# Altium PCB Brake Module PCB R6.PcbDoc (part 3 of 3)
Units mm, origin at the board's own origin, x right, y up, seen from the top; angles counter-clockwise.
Board outline 73.35 x 121.67 mm, 4 copper layers (Top Layer, GND, Power, Bottom Layer), stack 1.371 mm thick; 150 components, 97 nets, 517 pads, 201 vias.
Unrouted connection lines stored in the file: 1.
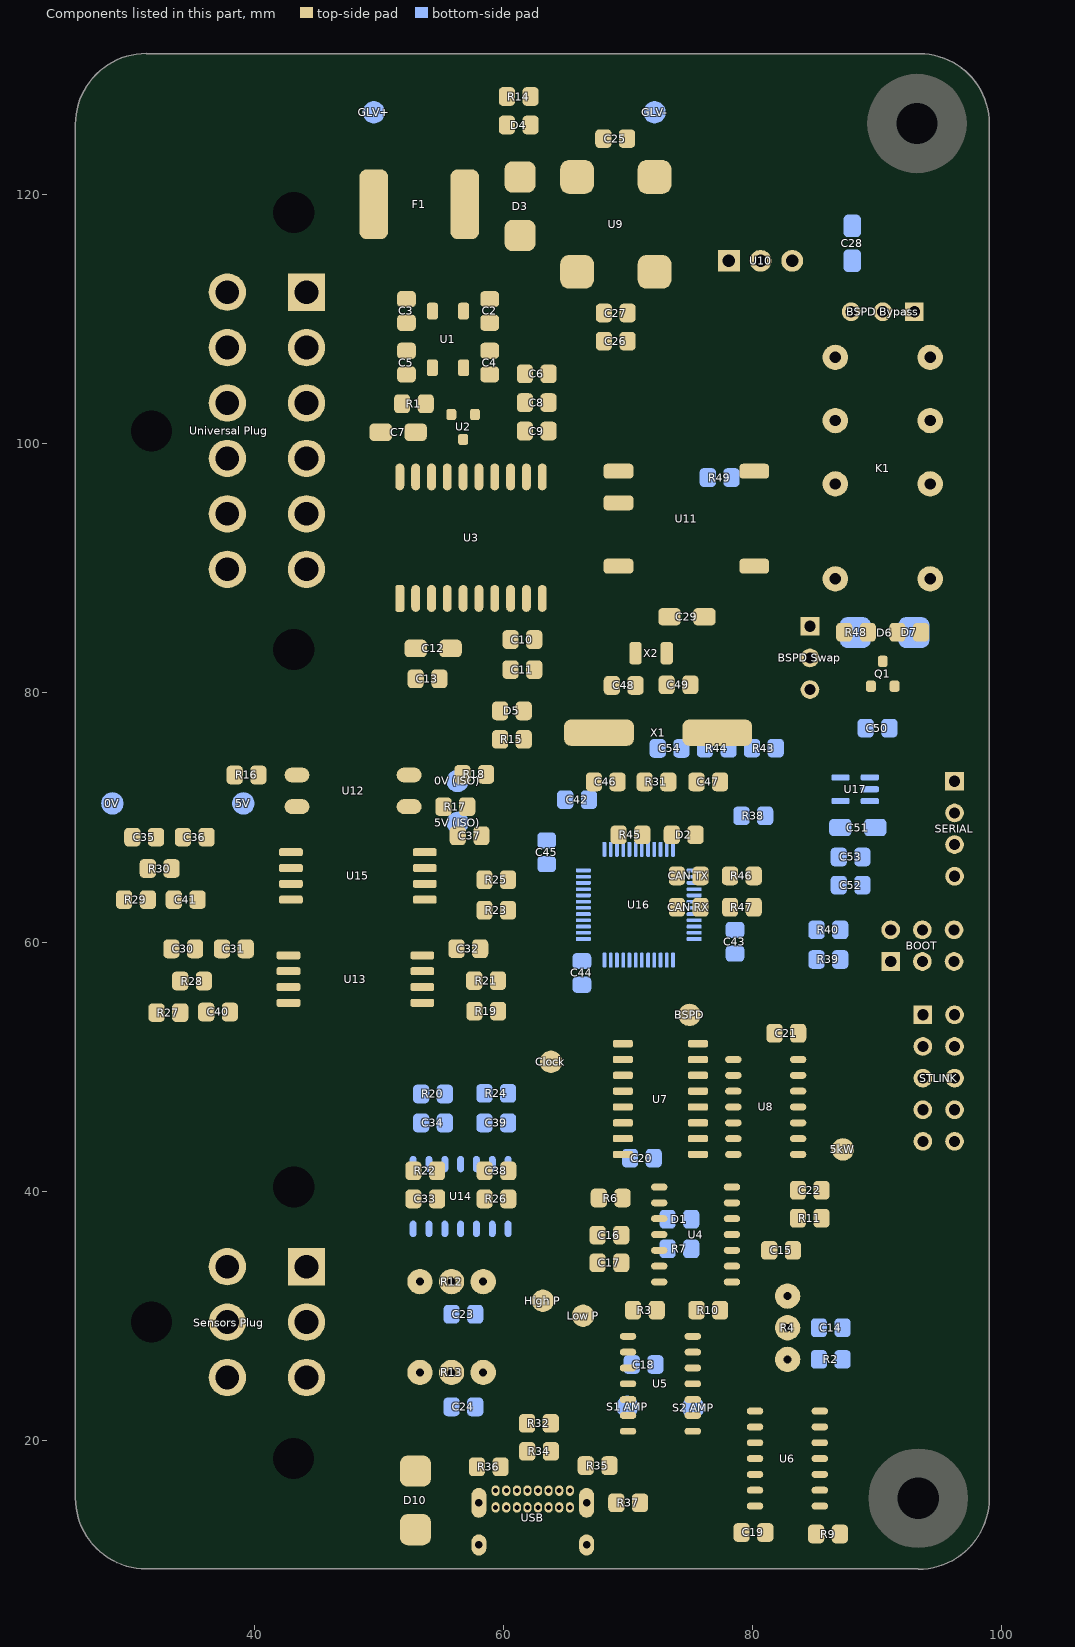
[diagram p5: the components of this part, seen from the top]

## Other copper
Top Layer:
  pour cut-out: 57.167,12.247 57.167,10.935 ccw(c57.739,10.935) 57.739,10.363 58.37,10.363 ccw(c58.37,10.946) 58.953,10.946 58.953,12.298 ccw(c58.458,12.31) 58.429,12.804 57.858,12.804 ccw(c57.743,12.24)
  pour cut-out: 65.817,12.247 65.817,10.935 ccw(c66.389,10.935) 66.389,10.363 67.02,10.363 ccw(c67.02,10.946) 67.604,10.946 67.604,12.298 ccw(c67.109,12.31) 67.079,12.804 66.508,12.804 ccw(c66.393,12.24)
  pour cut-out: 84.907,22.956 85.89,22.957 cw(c85.89,22.597) 86.249,22.597 86.249,14.566 cw(c85.82,14.566) 85.82,14.136 84.9,14.136 cw(c84.9,14.709) 84.327,14.716 84.411,22.466 cw(c84.907,22.461)
  pour cut-out: 79.271,22.86 80.645,22.86 cw(c80.645,22.4) 81.104,22.4 81.104,14.643 cw(c80.663,14.643) 80.663,14.201 79.577,14.201 cw(c79.577,14.597) 79.181,14.601
  pour cut-out: 52.092,59.021 52.092,54.947 ccw(c52.624,54.947) 52.624,54.415 54.19,54.415 ccw(c54.19,54.987) 54.761,54.987 54.762,59.299 ccw(c54.395,59.299) 54.395,59.666 52.736,59.666 ccw(c52.736,59.021)
  pour cut-out: 41.456,59.079 41.456,54.966 ccw(c42.006,54.966) 42.006,54.416 43.822,54.416 ccw(c43.822,54.863) 44.269,54.863 44.269,59.089 ccw(c43.692,59.089) 43.692,59.666 42.043,59.666 ccw(c42.043,59.079)
  pour cut-out: 41.686,67.361 41.686,63.282 ccw(c42.294,63.282) 42.294,62.674 43.869,62.674 ccw(c43.869,63.121) 44.316,63.121 44.316,67.347 ccw(c43.739,67.347) 43.739,67.924 42.25,67.924 ccw(c42.25,67.361)
  pour cut-out: 50.829,98.566 50.829,96.577 ccw(c51.596,96.577) 51.596,95.81 63.069,95.81 ccw(c63.069,96.706) 63.964,96.706 63.964,99.118 51.312,99.052 ccw(c51.315,98.566)
  pour cut-out: 77.465,32.361 ccw(c77.828,32.457) 77.828,32.081 78.915,32.081 ccw(c78.915,32.392) 79.227,32.392 79.227,40.694 ccw(c78.949,40.694) 78.946,40.971 77.804,40.958 ccw(c77.808,40.602) 77.453,40.601 cw(c-2693.031,32.361)
  pour cut-out: 71.618,40.541 71.618,32.466 ccw(c72.003,32.466) 72.003,32.081 73.021,32.081 ccw(c73.021,32.452) 73.392,32.452 73.392,40.658 ccw(c73.079,40.658) 73.075,40.971 72.031,40.959 ccw(c72.035,40.541)
  pour cut-out: 52.3,67.344 52.3,63.27 ccw(c52.832,63.27) 52.832,62.738 54.429,62.738 ccw(c54.429,63.245) 54.936,63.246 54.936,67.532 ccw(c54.479,67.532) 54.479,67.988 52.944,67.988 ccw(c52.944,67.344)
  pour cut-out: 74.281,28.513 74.281,20.319 ccw(c74.65,20.319) 74.65,19.95 75.777,19.95 ccw(c75.777,20.293) 76.12,20.293 76.12,28.485 ccw(c75.642,28.485) 75.642,28.964 74.732,28.964 ccw(c74.732,28.513)
  pour cut-out: 69.175,28.7 69.175,20.425 ccw(c69.625,20.425) 69.625,19.975 70.323,19.975 ccw(c70.323,20.527) 70.875,20.527 70.875,28.647 ccw(c70.397,28.647) 70.397,29.125 69.6,29.125 ccw(c69.6,28.7)
  pour cut-out: 82.787,42.756 82.787,50.755 cw(c83.358,50.755) 83.358,51.325 84.065,51.325 cw(c84.065,50.865) 84.525,50.865 84.525,42.65 cw(c84.07,42.65) 84.078,42.195 83.371,42.182 cw(c83.361,42.756)
  pour cut-out: 77.55,42.571 77.55,50.9 cw(c77.962,50.9) 77.962,51.312 78.773,51.313 cw(c78.773,50.758) 79.327,50.758 79.327,42.668 cw(c78.841,42.668) 78.849,42.183 77.959,42.168 cw(c77.953,42.571)
  pour cut-out: 74.475,52.1 74.475,42.55 ccw(c74.825,42.55) 74.825,42.2 76.393,42.2 ccw(c76.393,42.532) 76.725,42.532 76.725,52.075 ccw(c76.35,52.075) 76.35,52.45 74.825,52.45 ccw(c74.825,52.1)
  pour cut-out: 68.45,51.998 68.45,42.525 ccw(c68.775,42.525) 68.775,42.2 70.375,42.2 ccw(c70.375,42.55) 70.725,42.55 70.725,51.978 ccw(c70.233,51.978) 70.228,52.47 68.902,52.455 ccw(c68.907,51.998)
  pour cut-out: 63.225,86.275 ccw(c63.225,86.775) 63.725,86.775 63.725,88.65 ccw(c63.292,88.651) 63.291,89.083 51.423,89.075 ccw(c51.423,88.656) 51.004,88.652 51.02,86.802 ccw(c51.56,86.807) 51.561,86.267
  region: 1693 vertices and 5 holes, not listed, extent 93.264,20.872 97.854,29.735
  region: 615 vertices and 0 holes, not listed, extent 94.099,27.866 96.836,29.885
  region: 94.449,27.181 94.449,27.265 94.466,27.265 94.466,27.348 94.483,27.348 94.483,27.365 94.499,27.365 94.499,27.448 94.516,27.448 94.516,27.365 94.499,27.365 94.499,27.282 94.483,27.282 94.483,27.265 94.466,27.265 94.466,27.181 94.449,27.181 94.449,27.098 94.432,27.098 94.432,27.181
  region: 95.117,26.597 95.117,26.464 95.134,26.464 95.134,26.313 95.15,26.313 95.15,26.297 95.167,26.297 95.167,26.163 95.184,26.163 95.184,26.03 95.2,26.03 95.2,25.913 95.217,25.913 95.217,25.796 95.234,25.796 95.234,25.746 95.25,25.746 95.25,25.662 95.267,25.662 95.267,25.562 95.284,25.562 95.284,25.462 95.3,25.462 95.3,25.362 95.317,25.362 95.317,25.329 95.334,25.329 95.334,25.262 95.351,25.262 95.351,25.178 95.367,25.178 95.367,25.128 95.384,25.128 95.384,25.061 95.401,25.061 95.401,25.045 95.417,25.045 95.434,25.045 95.434,25.028 95.451,25.028 95.467,25.028 95.484,25.028 95.501,25.028 95.517,25.028 95.534,25.028 95.551,25.028 95.568,25.028 95.568,25.011 95.551,25.011 95.534,25.011 95.517,25.011 95.501,25.011 95.484,25.011 95.467,25.011 95.451,25.011 95.434,25.011 95.417,25.011 95.401,25.011 95.401,24.961 95.417,24.961 95.417,24.895 95.401,24.895 95.401,24.911 95.384,24.911 95.384,24.978 95.367,24.978 95.367,25.061 95.351,25.061 95.351,25.145 95.334,25.145 95.334,25.212 95.317,25.212 95.317,25.262 95.3,25.262 95.3,25.345 95.284,25.345 95.284,25.429 95.267,25.429 95.267,25.546 95.25,25.546 95.25,25.629 95.234,25.629 95.234,25.662 95.217,25.662 95.217,25.763 95.2,25.763 95.2,25.879 95.184,25.879 95.184,25.996 95.167,25.996 95.167,26.113 95.15,26.113 95.15,26.163 95.134,26.163 95.134,26.297 95.117,26.297 95.117,26.447 95.1,26.447 95.1,26.597
  region: 95.568,24.394 95.568,24.377 95.584,24.377 95.584,24.327 95.568,24.327 95.568,24.344 95.551,24.344 95.551,24.394
  region: 94.299,26.38 94.299,26.514 94.316,26.514 94.316,26.53 94.332,26.53 94.332,26.647 94.349,26.647 94.349,26.53 94.332,26.53 94.332,26.397 94.316,26.397 94.316,26.38 94.299,26.38 94.299,26.247 94.282,26.247 94.282,26.38
  region: 95.067,26.931 95.067,26.881 95.083,26.881 95.083,26.764 95.067,26.764 95.067,26.814 95.05,26.814 95.05,26.931
  region: 94.533,27.549 94.533,27.615 94.549,27.615 94.549,27.699 94.566,27.699 94.566,27.716 94.583,27.716 94.583,27.799 94.599,27.799 94.599,27.849 94.616,27.849 94.616,27.799 94.599,27.799 94.599,27.716 94.583,27.716 94.583,27.649 94.566,27.649 94.566,27.615 94.549,27.615 94.549,27.549 94.533,27.549 94.533,27.465 94.516,27.465 94.516,27.549
  region: 95.484,25.863 95.501,25.863 95.501,25.829 95.517,25.829 95.517,25.813 95.534,25.813 95.534,25.779 95.517,25.779 95.517,25.796 95.501,25.796 95.501,25.813 95.484,25.813 95.484,25.829 95.467,25.829 95.467,25.863
  region: 95.501,25.629 95.501,25.646 95.517,25.646 95.517,25.629 95.501,25.629 95.501,25.596 95.484,25.596 95.484,25.629
  region: 95.568,25.529 95.584,25.529 95.601,25.529 95.601,25.562 95.618,25.562 95.618,25.495 95.634,25.495 95.651,25.495 95.668,25.495 95.668,25.596 95.684,25.596 95.684,25.546 95.701,25.546 95.701,25.512 95.718,25.512 95.718,25.479 95.734,25.479 95.734,25.462 95.718,25.462 95.701,25.462 95.701,25.479 95.684,25.479 95.668,25.479 95.651,25.479 95.634,25.479 95.618,25.479 95.618,25.462 95.601,25.462 95.601,25.445 95.584,25.445 95.568,25.445 95.568,25.462 95.551,25.462 95.551,25.529
  region: 95.517,25.546 95.517,25.562 95.534,25.562 95.534,25.546 95.517,25.546 95.517,25.512 95.501,25.512 95.501,25.546
  region: 95.484,24.644 95.501,24.644 95.501,24.577 95.484,24.577 95.484,24.611 95.467,24.611 95.467,24.644
  region: 95.618,25.045 95.618,25.061 95.634,25.061 95.651,25.061 95.651,25.078 95.668,25.078 95.684,25.078 95.684,25.095 95.701,25.095 95.718,25.095 95.734,25.095 95.751,25.095 95.768,25.095 95.768,25.112 95.785,25.112 95.801,25.112 95.818,25.112 95.818,25.095 95.835,25.095 95.851,25.095 95.868,25.095 95.885,25.095 95.901,25.095 95.918,25.095 95.918,25.078 95.901,25.078 95.885,25.078 95.868,25.078 95.851,25.078 95.835,25.078 95.818,25.078 95.801,25.078 95.785,25.078 95.768,25.078 95.751,25.078 95.734,25.078 95.718,25.078 95.701,25.078 95.701,25.061 95.684,25.061 95.668,25.061 95.668,25.045 95.651,25.045 95.634,25.045 95.618,25.045 95.618,25.028 95.601,25.028 95.601,25.045
  region: 95.634,24.227 95.634,24.177 95.651,24.177 95.651,24.16 95.634,24.16 95.618,24.16 95.618,24.227
  region: 191 vertices and 1 holes, not listed, extent 94.783,23.008 95.451,24.227
  region: 94.366,26.764 94.366,26.881 94.382,26.881 94.382,26.981 94.399,26.981 94.416,26.981 94.416,27.081 94.432,27.081 94.432,26.981 94.416,26.981 94.416,26.898 94.399,26.898 94.399,26.881 94.382,26.881 94.382,26.764 94.366,26.764 94.366,26.664 94.349,26.664 94.349,26.764
  region: 93.898,25.629 93.898,25.612 93.915,25.612 93.915,25.596 93.898,25.596 93.882,25.596 93.882,25.629
  region: 93.698,25.295 93.698,25.379 93.715,25.379 93.715,25.479 93.731,25.479 93.748,25.479 93.748,25.596 93.765,25.596 93.765,25.813 93.781,25.813 93.781,25.763 93.798,25.763 93.798,25.746 93.815,25.746 93.815,25.729 93.832,25.729 93.832,25.696 93.848,25.696 93.848,25.679 93.865,25.679 93.865,25.646 93.848,25.646 93.848,25.662 93.832,25.662 93.832,25.612 93.815,25.612 93.815,25.596 93.832,25.596 93.832,25.546 93.815,25.546 93.815,25.495 93.798,25.495 93.798,25.295 93.781,25.295 93.781,25.195 93.798,25.195 93.798,25.112 93.815,25.112 93.832,25.112 93.832,25.095 93.848,25.095 93.848,25.078 93.865,25.078 93.882,25.078 93.898,25.078 93.915,25.078 93.932,25.078 93.948,25.078 93.948,25.095 93.965,25.095 93.965,25.112 93.982,25.112 93.982,25.128 93.998,25.128 93.998,25.162 94.015,25.162 94.015,25.262 94.032,25.262 94.032,25.195 94.049,25.195 94.049,25.028 94.065,25.028 94.065,25.011 94.082,25.011 94.082,24.995 94.099,24.995 94.115,24.995 94.132,24.995 94.149,24.995 94.149,24.978 94.132,24.978 94.132,24.961 94.115,24.961 94.115,24.945 94.099,24.945 94.099,24.928 94.082,24.928 94.082,24.911 94.065,24.911 94.065,24.895 94.049,24.895 94.049,24.878 94.032,24.878 94.015,24.878 94.015,24.861 93.998,24.861 93.982,24.861 93.965,24.861 93.965,24.844 93.948,24.844 93.932,24.844 93.915,24.844 93.898,24.844 93.882,24.844 93.865,24.844 93.848,24.844 93.848,24.861 93.832,24.861 93.815,24.861 93.815,24.878 93.798,24.878 93.781,24.878 93.781,24.911 93.765,24.911 93.765,24.928 93.748,24.928 93.748,24.945 93.731,24.945 93.731,24.961 93.715,24.961 93.715,24.995 93.698,24.995 93.698,25.045 93.681,25.045 93.681,25.295
  pour cut-out: 58.836,16.189 58.836,14.375 65.897,14.375 65.897,16.09
Bottom Layer:
  pour cut-out: 52.527,37.863 60.527,37.863 cw(c60.527,37.435) 60.955,37.435 60.955,36.486 cw(c60.484,36.486) 60.484,36.015 52.65,36.015 cw(c52.65,36.479) 52.186,36.473 52.172,37.504 cw(c52.527,37.508)
  pour cut-out: 52.678,43 60.445,43 cw(c60.445,42.558) 60.888,42.558 60.888,41.791 cw(c60.547,41.791) 60.547,41.45 52.382,41.45 cw(c52.382,41.583) 52.249,41.583 52.249,42.571 cw(c52.678,42.571)
  region: 1693 vertices and 5 holes, not listed, extent 93.264,20.872 97.855,29.736
  region: 615 vertices and 0 holes, not listed, extent 94.099,27.866 96.837,29.886
  region: 94.45,27.182 94.45,27.265 94.466,27.265 94.466,27.349 94.483,27.349 94.483,27.365 94.5,27.365 94.5,27.449 94.516,27.449 94.516,27.365 94.5,27.365 94.5,27.282 94.483,27.282 94.483,27.265 94.466,27.265 94.466,27.182 94.45,27.182 94.45,27.098 94.433,27.098 94.433,27.182
  region: 95.117,26.598 95.117,26.464 95.134,26.464 95.134,26.314 95.151,26.314 95.151,26.297 95.167,26.297 95.167,26.164 95.184,26.164 95.184,26.03 95.201,26.03 95.201,25.913 95.217,25.913 95.217,25.796 95.234,25.796 95.234,25.746 95.251,25.746 95.251,25.663 95.267,25.663 95.267,25.563 95.284,25.563 95.284,25.462 95.301,25.462 95.301,25.362 95.318,25.362 95.318,25.329 95.334,25.329 95.334,25.262 95.351,25.262 95.351,25.179 95.368,25.179 95.368,25.129 95.384,25.129 95.384,25.062 95.401,25.062 95.401,25.045 95.418,25.045 95.434,25.045 95.434,25.028 95.451,25.028 95.468,25.028 95.484,25.028 95.501,25.028 95.518,25.028 95.535,25.028 95.551,25.028 95.568,25.028 95.568,25.012 95.551,25.012 95.535,25.012 95.518,25.012 95.501,25.012 95.484,25.012 95.468,25.012 95.451,25.012 95.434,25.012 95.418,25.012 95.401,25.012 95.401,24.962 95.418,24.962 95.418,24.895 95.401,24.895 95.401,24.912 95.384,24.912 95.384,24.978 95.368,24.978 95.368,25.062 95.351,25.062 95.351,25.145 95.334,25.145 95.334,25.212 95.318,25.212 95.318,25.262 95.301,25.262 95.301,25.346 95.284,25.346 95.284,25.429 95.267,25.429 95.267,25.546 95.251,25.546 95.251,25.629 95.234,25.629 95.234,25.663 95.217,25.663 95.217,25.763 95.201,25.763 95.201,25.88 95.184,25.88 95.184,25.997 95.167,25.997 95.167,26.113 95.151,26.113 95.151,26.164 95.134,26.164 95.134,26.297 95.117,26.297 95.117,26.447 95.101,26.447 95.101,26.598
  region: 94.299,26.381 94.299,26.514 94.316,26.514 94.316,26.531 94.333,26.531 94.333,26.648 94.349,26.648 94.349,26.531 94.333,26.531 94.333,26.397 94.316,26.397 94.316,26.381 94.299,26.381 94.299,26.247 94.283,26.247 94.283,26.381
  region: 94.533,27.549 94.533,27.616 94.55,27.616 94.55,27.699 94.566,27.699 94.566,27.716 94.583,27.716 94.583,27.799 94.6,27.799 94.6,27.849 94.616,27.849 94.616,27.799 94.6,27.799 94.6,27.716 94.583,27.716 94.583,27.649 94.566,27.649 94.566,27.616 94.55,27.616 94.55,27.549 94.533,27.549 94.533,27.466 94.516,27.466 94.516,27.549
  region: 95.067,26.931 95.067,26.881 95.084,26.881 95.084,26.764 95.067,26.764 95.067,26.815 95.05,26.815 95.05,26.931
  region: 95.618,25.045 95.618,25.062 95.635,25.062 95.651,25.062 95.651,25.079 95.668,25.079 95.685,25.079 95.685,25.095 95.701,25.095 95.718,25.095 95.735,25.095 95.752,25.095 95.768,25.095 95.768,25.112 95.785,25.112 95.802,25.112 95.818,25.112 95.818,25.095 95.835,25.095 95.852,25.095 95.868,25.095 95.885,25.095 95.902,25.095 95.918,25.095 95.918,25.079 95.902,25.079 95.885,25.079 95.868,25.079 95.852,25.079 95.835,25.079 95.818,25.079 95.802,25.079 95.785,25.079 95.768,25.079 95.752,25.079 95.735,25.079 95.718,25.079 95.701,25.079 95.701,25.062 95.685,25.062 95.668,25.062 95.668,25.045 95.651,25.045 95.635,25.045 95.618,25.045 95.618,25.028 95.601,25.028 95.601,25.045
  region: 95.484,24.645 95.501,24.645 95.501,24.578 95.484,24.578 95.484,24.611 95.468,24.611 95.468,24.645
  region: 95.518,25.546 95.518,25.563 95.535,25.563 95.535,25.546 95.518,25.546 95.518,25.513 95.501,25.513 95.501,25.546
  region: 95.568,25.529 95.585,25.529 95.601,25.529 95.601,25.563 95.618,25.563 95.618,25.496 95.635,25.496 95.651,25.496 95.668,25.496 95.668,25.596 95.685,25.596 95.685,25.546 95.701,25.546 95.701,25.513 95.718,25.513 95.718,25.479 95.735,25.479 95.735,25.462 95.718,25.462 95.701,25.462 95.701,25.479 95.685,25.479 95.668,25.479 95.651,25.479 95.635,25.479 95.618,25.479 95.618,25.462 95.601,25.462 95.601,25.446 95.585,25.446 95.568,25.446 95.568,25.462 95.551,25.462 95.551,25.529
  region: 95.501,25.629 95.501,25.646 95.518,25.646 95.518,25.629 95.501,25.629 95.501,25.596 95.484,25.596 95.484,25.629
  region: 95.484,25.863 95.501,25.863 95.501,25.83 95.518,25.83 95.518,25.813 95.535,25.813 95.535,25.78 95.518,25.78 95.518,25.796 95.501,25.796 95.501,25.813 95.484,25.813 95.484,25.83 95.468,25.83 95.468,25.863
  region: 95.568,24.394 95.568,24.377 95.585,24.377 95.585,24.327 95.568,24.327 95.568,24.344 95.551,24.344 95.551,24.394
  region: 191 vertices and 1 holes, not listed, extent 94.783,23.009 95.451,24.227
  region: 95.635,24.227 95.635,24.177 95.651,24.177 95.651,24.16 95.635,24.16 95.618,24.16 95.618,24.227
  region: 94.366,26.764 94.366,26.881 94.383,26.881 94.383,26.981 94.399,26.981 94.416,26.981 94.416,27.082 94.433,27.082 94.433,26.981 94.416,26.981 94.416,26.898 94.399,26.898 94.399,26.881 94.383,26.881 94.383,26.764 94.366,26.764 94.366,26.664 94.349,26.664 94.349,26.764
  region: 93.698,25.296 93.698,25.379 93.715,25.379 93.715,25.479 93.732,25.479 93.748,25.479 93.748,25.596 93.765,25.596 93.765,25.813 93.782,25.813 93.782,25.763 93.799,25.763 93.799,25.746 93.815,25.746 93.815,25.73 93.832,25.73 93.832,25.696 93.849,25.696 93.849,25.679 93.865,25.679 93.865,25.646 93.849,25.646 93.849,25.663 93.832,25.663 93.832,25.613 93.815,25.613 93.815,25.596 93.832,25.596 93.832,25.546 93.815,25.546 93.815,25.496 93.799,25.496 93.799,25.296 93.782,25.296 93.782,25.195 93.799,25.195 93.799,25.112 93.815,25.112 93.832,25.112 93.832,25.095 93.849,25.095 93.849,25.079 93.865,25.079 93.882,25.079 93.899,25.079 93.915,25.079 93.932,25.079 93.949,25.079 93.949,25.095 93.965,25.095 93.965,25.112 93.982,25.112 93.982,25.129 93.999,25.129 93.999,25.162 94.016,25.162 94.016,25.262 94.032,25.262 94.032,25.195 94.049,25.195 94.049,25.028 94.066,25.028 94.066,25.012 94.082,25.012 94.082,24.995 94.099,24.995 94.116,24.995 94.132,24.995 94.149,24.995 94.149,24.978 94.132,24.978 94.132,24.962 94.116,24.962 94.116,24.945 94.099,24.945 94.099,24.928 94.082,24.928 94.082,24.912 94.066,24.912 94.066,24.895 94.049,24.895 94.049,24.878 94.032,24.878 94.016,24.878 94.016,24.862 93.999,24.862 93.982,24.862 93.965,24.862 93.965,24.845 93.949,24.845 93.932,24.845 93.915,24.845 93.899,24.845 93.882,24.845 93.865,24.845 93.849,24.845 93.849,24.862 93.832,24.862 93.815,24.862 93.815,24.878 93.799,24.878 93.782,24.878 93.782,24.912 93.765,24.912 93.765,24.928 93.748,24.928 93.748,24.945 93.732,24.945 93.732,24.962 93.715,24.962 93.715,24.995 93.698,24.995 93.698,25.045 93.682,25.045 93.682,25.296
  region: 93.899,25.629 93.899,25.613 93.915,25.613 93.915,25.596 93.899,25.596 93.882,25.596 93.882,25.629
  pour cut-out: 73.997,59.625 67.761,59.625 67.761,57.875 73.972,57.875
  pour cut-out: 67.752,66.375 73.971,66.375 73.971,68.247 67.779,68.247
  pour cut-out: 65.611,66.111 65.611,59.889 67.475,59.889 67.475,66.084
  pour cut-out: 74.253,66.199 74.253,59.988 76.176,59.987 76.176,66.172
  pour cut-out: 58.845,16.174 58.845,14.361 65.905,14.361 65.905,16.076
GND (plane layer: these items are gaps in the copper):
  rectangle: 93.077,20.69 97.9,29.941
  region: 615 vertices and 0 holes, not listed, extent 94.099,27.866 96.837,29.886
  region: 1693 vertices and 5 holes, not listed, extent 93.264,20.872 97.855,29.736
  region: 191 vertices and 1 holes, not listed, extent 94.783,23.009 95.451,24.227
  region: 95.117,26.598 95.117,26.464 95.134,26.464 95.134,26.314 95.151,26.314 95.151,26.297 95.167,26.297 95.167,26.164 95.184,26.164 95.184,26.03 95.201,26.03 95.201,25.913 95.217,25.913 95.217,25.796 95.234,25.796 95.234,25.746 95.251,25.746 95.251,25.663 95.267,25.663 95.267,25.563 95.284,25.563 95.284,25.462 95.301,25.462 95.301,25.362 95.318,25.362 95.318,25.329 95.334,25.329 95.334,25.262 95.351,25.262 95.351,25.179 95.368,25.179 95.368,25.129 95.384,25.129 95.384,25.062 95.401,25.062 95.401,25.045 95.418,25.045 95.434,25.045 95.434,25.028 95.451,25.028 95.468,25.028 95.484,25.028 95.501,25.028 95.518,25.028 95.535,25.028 95.551,25.028 95.568,25.028 95.568,25.012 95.551,25.012 95.535,25.012 95.518,25.012 95.501,25.012 95.484,25.012 95.468,25.012 95.451,25.012 95.434,25.012 95.418,25.012 95.401,25.012 95.401,24.962 95.418,24.962 95.418,24.895 95.401,24.895 95.401,24.912 95.384,24.912 95.384,24.978 95.368,24.978 95.368,25.062 95.351,25.062 95.351,25.145 95.334,25.145 95.334,25.212 95.318,25.212 95.318,25.262 95.301,25.262 95.301,25.346 95.284,25.346 95.284,25.429 95.267,25.429 95.267,25.546 95.251,25.546 95.251,25.629 95.234,25.629 95.234,25.663 95.217,25.663 95.217,25.763 95.201,25.763 95.201,25.88 95.184,25.88 95.184,25.997 95.167,25.997 95.167,26.113 95.151,26.113 95.151,26.164 95.134,26.164 95.134,26.297 95.117,26.297 95.117,26.447 95.101,26.447 95.101,26.598
  region: 93.698,25.296 93.698,25.379 93.715,25.379 93.715,25.479 93.732,25.479 93.748,25.479 93.748,25.596 93.765,25.596 93.765,25.813 93.782,25.813 93.782,25.763 93.799,25.763 93.799,25.746 93.815,25.746 93.815,25.73 93.832,25.73 93.832,25.696 93.849,25.696 93.849,25.679 93.865,25.679 93.865,25.646 93.849,25.646 93.849,25.663 93.832,25.663 93.832,25.613 93.815,25.613 93.815,25.596 93.832,25.596 93.832,25.546 93.815,25.546 93.815,25.496 93.799,25.496 93.799,25.296 93.782,25.296 93.782,25.195 93.799,25.195 93.799,25.112 93.815,25.112 93.832,25.112 93.832,25.095 93.849,25.095 93.849,25.079 93.865,25.079 93.882,25.079 93.899,25.079 93.915,25.079 93.932,25.079 93.949,25.079 93.949,25.095 93.965,25.095 93.965,25.112 93.982,25.112 93.982,25.129 93.999,25.129 93.999,25.162 94.016,25.162 94.016,25.262 94.032,25.262 94.032,25.195 94.049,25.195 94.049,25.028 94.066,25.028 94.066,25.012 94.082,25.012 94.082,24.995 94.099,24.995 94.116,24.995 94.132,24.995 94.149,24.995 94.149,24.978 94.132,24.978 94.132,24.962 94.116,24.962 94.116,24.945 94.099,24.945 94.099,24.928 94.082,24.928 94.082,24.912 94.066,24.912 94.066,24.895 94.049,24.895 94.049,24.878 94.032,24.878 94.016,24.878 94.016,24.862 93.999,24.862 93.982,24.862 93.965,24.862 93.965,24.845 93.949,24.845 93.932,24.845 93.915,24.845 93.899,24.845 93.882,24.845 93.865,24.845 93.849,24.845 93.849,24.862 93.832,24.862 93.815,24.862 93.815,24.878 93.799,24.878 93.782,24.878 93.782,24.912 93.765,24.912 93.765,24.928 93.748,24.928 93.748,24.945 93.732,24.945 93.732,24.962 93.715,24.962 93.715,24.995 93.698,24.995 93.698,25.045 93.682,25.045 93.682,25.296
  region: 94.45,27.182 94.45,27.265 94.466,27.265 94.466,27.349 94.483,27.349 94.483,27.365 94.5,27.365 94.5,27.449 94.516,27.449 94.516,27.365 94.5,27.365 94.5,27.282 94.483,27.282 94.483,27.265 94.466,27.265 94.466,27.182 94.45,27.182 94.45,27.098 94.433,27.098 94.433,27.182
  region: 95.518,25.546 95.518,25.563 95.535,25.563 95.535,25.546 95.518,25.546 95.518,25.513 95.501,25.513 95.501,25.546
  region: 95.568,25.529 95.585,25.529 95.601,25.529 95.601,25.563 95.618,25.563 95.618,25.496 95.635,25.496 95.651,25.496 95.668,25.496 95.668,25.596 95.685,25.596 95.685,25.546 95.701,25.546 95.701,25.513 95.718,25.513 95.718,25.479 95.735,25.479 95.735,25.462 95.718,25.462 95.701,25.462 95.701,25.479 95.685,25.479 95.668,25.479 95.651,25.479 95.635,25.479 95.618,25.479 95.618,25.462 95.601,25.462 95.601,25.446 95.585,25.446 95.568,25.446 95.568,25.462 95.551,25.462 95.551,25.529
  region: 95.501,25.629 95.501,25.646 95.518,25.646 95.518,25.629 95.501,25.629 95.501,25.596 95.484,25.596 95.484,25.629
  region: 95.484,25.863 95.501,25.863 95.501,25.83 95.518,25.83 95.518,25.813 95.535,25.813 95.535,25.78 95.518,25.78 95.518,25.796 95.501,25.796 95.501,25.813 95.484,25.813 95.484,25.83 95.468,25.83 95.468,25.863
  region: 95.635,24.227 95.635,24.177 95.651,24.177 95.651,24.16 95.635,24.16 95.618,24.16 95.618,24.227
  region: 95.618,25.045 95.618,25.062 95.635,25.062 95.651,25.062 95.651,25.079 95.668,25.079 95.685,25.079 95.685,25.095 95.701,25.095 95.718,25.095 95.735,25.095 95.752,25.095 95.768,25.095 95.768,25.112 95.785,25.112 95.802,25.112 95.818,25.112 95.818,25.095 95.835,25.095 95.852,25.095 95.868,25.095 95.885,25.095 95.902,25.095 95.918,25.095 95.918,25.079 95.902,25.079 95.885,25.079 95.868,25.079 95.852,25.079 95.835,25.079 95.818,25.079 95.802,25.079 95.785,25.079 95.768,25.079 95.752,25.079 95.735,25.079 95.718,25.079 95.701,25.079 95.701,25.062 95.685,25.062 95.668,25.062 95.668,25.045 95.651,25.045 95.635,25.045 95.618,25.045 95.618,25.028 95.601,25.028 95.601,25.045
  region: 95.484,24.645 95.501,24.645 95.501,24.578 95.484,24.578 95.484,24.611 95.468,24.611 95.468,24.645
  region: 95.568,24.394 95.568,24.377 95.585,24.377 95.585,24.327 95.568,24.327 95.568,24.344 95.551,24.344 95.551,24.394
  region: 94.533,27.549 94.533,27.616 94.55,27.616 94.55,27.699 94.566,27.699 94.566,27.716 94.583,27.716 94.583,27.799 94.6,27.799 94.6,27.849 94.616,27.849 94.616,27.799 94.6,27.799 94.6,27.716 94.583,27.716 94.583,27.649 94.566,27.649 94.566,27.616 94.55,27.616 94.55,27.549 94.533,27.549 94.533,27.466 94.516,27.466 94.516,27.549
  region: 93.899,25.629 93.899,25.613 93.915,25.613 93.915,25.596 93.899,25.596 93.882,25.596 93.882,25.629
  region: 94.366,26.764 94.366,26.881 94.383,26.881 94.383,26.981 94.399,26.981 94.416,26.981 94.416,27.082 94.433,27.082 94.433,26.981 94.416,26.981 94.416,26.898 94.399,26.898 94.399,26.881 94.383,26.881 94.383,26.764 94.366,26.764 94.366,26.664 94.349,26.664 94.349,26.764
  region: 95.067,26.931 95.067,26.881 95.084,26.881 95.084,26.764 95.067,26.764 95.067,26.815 95.05,26.815 95.05,26.931
  region: 94.299,26.381 94.299,26.514 94.316,26.514 94.316,26.531 94.333,26.531 94.333,26.648 94.349,26.648 94.349,26.531 94.333,26.531 94.333,26.397 94.316,26.397 94.316,26.381 94.299,26.381 94.299,26.247 94.283,26.247 94.283,26.381
  lines w3.88: 48.275,7.65 48.275,92.725 103.025,92.725
Power (plane layer: these items are gaps in the copper):
  rectangle: 93.077,20.69 97.9,29.941
  region: 615 vertices and 0 holes, not listed, extent 94.099,27.866 96.837,29.886
  region: 1693 vertices and 5 holes, not listed, extent 93.264,20.872 97.855,29.736
  region: 95.117,26.598 95.117,26.464 95.134,26.464 95.134,26.314 95.151,26.314 95.151,26.297 95.167,26.297 95.167,26.164 95.184,26.164 95.184,26.03 95.201,26.03 95.201,25.913 95.217,25.913 95.217,25.796 95.234,25.796 95.234,25.746 95.251,25.746 95.251,25.663 95.267,25.663 95.267,25.563 95.284,25.563 95.284,25.462 95.301,25.462 95.301,25.362 95.318,25.362 95.318,25.329 95.334,25.329 95.334,25.262 95.351,25.262 95.351,25.179 95.368,25.179 95.368,25.129 95.384,25.129 95.384,25.062 95.401,25.062 95.401,25.045 95.418,25.045 95.434,25.045 95.434,25.028 95.451,25.028 95.468,25.028 95.484,25.028 95.501,25.028 95.518,25.028 95.535,25.028 95.551,25.028 95.568,25.028 95.568,25.012 95.551,25.012 95.535,25.012 95.518,25.012 95.501,25.012 95.484,25.012 95.468,25.012 95.451,25.012 95.434,25.012 95.418,25.012 95.401,25.012 95.401,24.962 95.418,24.962 95.418,24.895 95.401,24.895 95.401,24.912 95.384,24.912 95.384,24.978 95.368,24.978 95.368,25.062 95.351,25.062 95.351,25.145 95.334,25.145 95.334,25.212 95.318,25.212 95.318,25.262 95.301,25.262 95.301,25.346 95.284,25.346 95.284,25.429 95.267,25.429 95.267,25.546 95.251,25.546 95.251,25.629 95.234,25.629 95.234,25.663 95.217,25.663 95.217,25.763 95.201,25.763 95.201,25.88 95.184,25.88 95.184,25.997 95.167,25.997 95.167,26.113 95.151,26.113 95.151,26.164 95.134,26.164 95.134,26.297 95.117,26.297 95.117,26.447 95.101,26.447 95.101,26.598
  region: 191 vertices and 1 holes, not listed, extent 94.783,23.009 95.451,24.227
  region: 93.698,25.296 93.698,25.379 93.715,25.379 93.715,25.479 93.732,25.479 93.748,25.479 93.748,25.596 93.765,25.596 93.765,25.813 93.782,25.813 93.782,25.763 93.799,25.763 93.799,25.746 93.815,25.746 93.815,25.73 93.832,25.73 93.832,25.696 93.849,25.696 93.849,25.679 93.865,25.679 93.865,25.646 93.849,25.646 93.849,25.663 93.832,25.663 93.832,25.613 93.815,25.613 93.815,25.596 93.832,25.596 93.832,25.546 93.815,25.546 93.815,25.496 93.799,25.496 93.799,25.296 93.782,25.296 93.782,25.195 93.799,25.195 93.799,25.112 93.815,25.112 93.832,25.112 93.832,25.095 93.849,25.095 93.849,25.079 93.865,25.079 93.882,25.079 93.899,25.079 93.915,25.079 93.932,25.079 93.949,25.079 93.949,25.095 93.965,25.095 93.965,25.112 93.982,25.112 93.982,25.129 93.999,25.129 93.999,25.162 94.016,25.162 94.016,25.262 94.032,25.262 94.032,25.195 94.049,25.195 94.049,25.028 94.066,25.028 94.066,25.012 94.082,25.012 94.082,24.995 94.099,24.995 94.116,24.995 94.132,24.995 94.149,24.995 94.149,24.978 94.132,24.978 94.132,24.962 94.116,24.962 94.116,24.945 94.099,24.945 94.099,24.928 94.082,24.928 94.082,24.912 94.066,24.912 94.066,24.895 94.049,24.895 94.049,24.878 94.032,24.878 94.016,24.878 94.016,24.862 93.999,24.862 93.982,24.862 93.965,24.862 93.965,24.845 93.949,24.845 93.932,24.845 93.915,24.845 93.899,24.845 93.882,24.845 93.865,24.845 93.849,24.845 93.849,24.862 93.832,24.862 93.815,24.862 93.815,24.878 93.799,24.878 93.782,24.878 93.782,24.912 93.765,24.912 93.765,24.928 93.748,24.928 93.748,24.945 93.732,24.945 93.732,24.962 93.715,24.962 93.715,24.995 93.698,24.995 93.698,25.045 93.682,25.045 93.682,25.296
  region: 94.366,26.764 94.366,26.881 94.383,26.881 94.383,26.981 94.399,26.981 94.416,26.981 94.416,27.082 94.433,27.082 94.433,26.981 94.416,26.981 94.416,26.898 94.399,26.898 94.399,26.881 94.383,26.881 94.383,26.764 94.366,26.764 94.366,26.664 94.349,26.664 94.349,26.764
  region: 95.618,25.045 95.618,25.062 95.635,25.062 95.651,25.062 95.651,25.079 95.668,25.079 95.685,25.079 95.685,25.095 95.701,25.095 95.718,25.095 95.735,25.095 95.752,25.095 95.768,25.095 95.768,25.112 95.785,25.112 95.802,25.112 95.818,25.112 95.818,25.095 95.835,25.095 95.852,25.095 95.868,25.095 95.885,25.095 95.902,25.095 95.918,25.095 95.918,25.079 95.902,25.079 95.885,25.079 95.868,25.079 95.852,25.079 95.835,25.079 95.818,25.079 95.802,25.079 95.785,25.079 95.768,25.079 95.752,25.079 95.735,25.079 95.718,25.079 95.701,25.079 95.701,25.062 95.685,25.062 95.668,25.062 95.668,25.045 95.651,25.045 95.635,25.045 95.618,25.045 95.618,25.028 95.601,25.028 95.601,25.045
  region: 95.518,25.546 95.518,25.563 95.535,25.563 95.535,25.546 95.518,25.546 95.518,25.513 95.501,25.513 95.501,25.546
  region: 95.568,25.529 95.585,25.529 95.601,25.529 95.601,25.563 95.618,25.563 95.618,25.496 95.635,25.496 95.651,25.496 95.668,25.496 95.668,25.596 95.685,25.596 95.685,25.546 95.701,25.546 95.701,25.513 95.718,25.513 95.718,25.479 95.735,25.479 95.735,25.462 95.718,25.462 95.701,25.462 95.701,25.479 95.685,25.479 95.668,25.479 95.651,25.479 95.635,25.479 95.618,25.479 95.618,25.462 95.601,25.462 95.601,25.446 95.585,25.446 95.568,25.446 95.568,25.462 95.551,25.462 95.551,25.529
  region: 95.501,25.629 95.501,25.646 95.518,25.646 95.518,25.629 95.501,25.629 95.501,25.596 95.484,25.596 95.484,25.629
  region: 95.484,25.863 95.501,25.863 95.501,25.83 95.518,25.83 95.518,25.813 95.535,25.813 95.535,25.78 95.518,25.78 95.518,25.796 95.501,25.796 95.501,25.813 95.484,25.813 95.484,25.83 95.468,25.83 95.468,25.863
  region: 95.635,24.227 95.635,24.177 95.651,24.177 95.651,24.16 95.635,24.16 95.618,24.16 95.618,24.227
  region: 95.484,24.645 95.501,24.645 95.501,24.578 95.484,24.578 95.484,24.611 95.468,24.611 95.468,24.645
  region: 95.568,24.394 95.568,24.377 95.585,24.377 95.585,24.327 95.568,24.327 95.568,24.344 95.551,24.344 95.551,24.394
  region: 94.533,27.549 94.533,27.616 94.55,27.616 94.55,27.699 94.566,27.699 94.566,27.716 94.583,27.716 94.583,27.799 94.6,27.799 94.6,27.849 94.616,27.849 94.616,27.799 94.6,27.799 94.6,27.716 94.583,27.716 94.583,27.649 94.566,27.649 94.566,27.616 94.55,27.616 94.55,27.549 94.533,27.549 94.533,27.466 94.516,27.466 94.516,27.549
  region: 94.45,27.182 94.45,27.265 94.466,27.265 94.466,27.349 94.483,27.349 94.483,27.365 94.5,27.365 94.5,27.449 94.516,27.449 94.516,27.365 94.5,27.365 94.5,27.282 94.483,27.282 94.483,27.265 94.466,27.265 94.466,27.182 94.45,27.182 94.45,27.098 94.433,27.098 94.433,27.182
  region: 93.899,25.629 93.899,25.613 93.915,25.613 93.915,25.596 93.899,25.596 93.882,25.596 93.882,25.629
  region: 95.067,26.931 95.067,26.881 95.084,26.881 95.084,26.764 95.067,26.764 95.067,26.815 95.05,26.815 95.05,26.931
  region: 94.299,26.381 94.299,26.514 94.316,26.514 94.316,26.531 94.333,26.531 94.333,26.648 94.349,26.648 94.349,26.531 94.333,26.531 94.333,26.397 94.316,26.397 94.316,26.381 94.299,26.381 94.299,26.247 94.283,26.247 94.283,26.381
  lines w0.254: 93.077,20.69 93.077,29.941 97.752,29.941 97.9,29.941 97.9,20.69 93.077,20.69
  lines w1.66: 100.7,75.108 69.808,75.108 63.7,69 63.7,58.5 67.775,54.425 88.4,54.425 88.4,39 93,34.4 100.9,34.4
  lines w3.88: 48.26,7.62 48.26,92.71 103,92.71

## Silkscreen, mask and mechanical layers (free items; w line width, h text height)
Top Overlay:
  drawing of 33 lines, arcs and shapes, not listed
  text "Power" at 58.802,125.014 h0.8 r90
  text "OKAY" at 79.889,84.922 h0.8
  text "DELAY" at 77.85,79.65 h0.8
  text "Iso Power" at 58.509,75.414 h0.8 r90
  text "PC13" at 78.179,68.07 h0.8
  text "RX" at 70.254,64.844 h0.8
  text "TX" at 70.267,62.253 h0.8
  text "HIGH" at 57.154,35.254 h1
  text "28/04/2020 - T.B." at 95.667,35.158 h1.02 r90
  text "Brake Module R5" at 94.727,35.04 h1.02 r90
  text "TIMER" at 78.796,31.339 h0.8 r270
  text "ADJUST" at 79.984,31.343 h0.8 r270
  text "Formula SAE" at 93.84,31.114 h1.78 r90
  text "Team Swinburne" at 92.442,19.909 h3.05 r90
  text "LOW" at 58.004,19.529 h1
Bottom Overlay:
  drawing of 63 lines, arcs and shapes, not listed
  text "SHIFT" at 72.947,49.383 h0.8 r90
  text "OUTPUT" at 81.459,49.162 h0.8 r90
  text "Brake Module R5" at 94.724,42.043 h1.02 r90
  text "28/04/2020 - T.B." at 95.664,42.043 h1.02 r90
  text "Team Swinburne" at 92.439,40.38 h3.05 r90
  text "Formula SAE" at 93.837,40.369 h1.78 r90
  text "TIMER" at 77.91,37.065 h0.8 r90
  text "COMP" at 72.978,24.287 h0.8 r90
  text "NAND" at 83.226,19.213 h0.8 r90
Drill Drawing:
  circle w0.254: c25.581,189.652 r0.847
  circle w0.254: c25.581,166.792 r0.508
  circle w0.254: c25.581,166.792 r0.847
  lines w0.254: 24.734,169.755 26.428,169.755 26.428,171.448 24.734,171.448 24.734,169.755 ; 24.734,174.412 25.581,173.565 26.428,174.412 25.581,175.258 24.734,174.412 ; 24.734,179.068 26.428,179.068 25.581,177.375 24.734,179.068 ; 24.734,181.608 25.158,181.608 25.158,181.185 26.004,181.185 26.004,181.608 26.428,181.608 26.428,182.455 26.004,182.455 26.004,182.878 25.158,182.878 25.158,182.455 24.734,182.455 24.734,181.608 ; 24.734,184.995 24.734,185.418 25.158,185.842 24.734,186.265 24.734,186.688 25.158,186.688 25.581,186.265 26.004,186.688 26.428,186.688 26.428,186.265 26.004,185.842 26.428,185.418 26.428,184.995 26.004,184.995 25.581,185.418 25.158,184.995 24.734,184.995 ; 24.734,194.308 26.428,194.308 25.581,192.615 24.734,194.308 ; 24.734,196.848 25.158,196.848 25.581,196.425 26.004,196.848 26.428,196.848 26.004,197.272 26.428,197.695 26.004,197.695 25.581,198.118 25.158,197.695 24.734,197.695 25.158,197.272 24.734,196.848 ; 24.734,200.235 25.581,200.658 26.428,200.235 26.004,201.082 26.428,201.928 25.581,201.505 24.734,201.928 25.158,201.082 24.734,200.235 ; 25.073,193.97 26.089,193.97 25.581,192.954 25.073,193.97
  lines w0.381: 23.216,164.802 306.194,164.802 ; 23.216,202.902 306.194,202.902 ; 37.208,160.992 37.208,206.712 ; 52.444,160.992 52.444,206.712 ; 81.645,160.992 81.645,206.712 ; 94.494,160.992 94.494,206.712 ; 113.133,160.992 113.133,206.712 ; 151.222,160.992 151.222,206.712 ; 166.204,160.992 166.204,206.712 ; 185.147,160.992 185.147,206.712 ; 215.618,160.992 215.618,206.712 ; 237.304,160.992 237.304,206.712 ; 271.177,160.992 271.177,206.712 ; 23.216,160.992 306.194,160.992 306.194,206.712 23.216,206.712 23.216,160.992
  text "Symbol" at 25.502,204.045 h1.83
  text "Count" at 38.351,204.045 h1.83
  text "Hole Size" at 53.587,204.045 h1.83
  text "Plated" at 82.788,204.045 h1.83
  text "Hole Type" at 95.637,204.045 h1.83
  text "Drill Layer Pair" at 114.276,204.045 h1.83
  text "Via/Pad" at 152.365,204.045 h1.83
  text "Pad Shape" at 167.347,204.045 h1.83
  text "Template" at 186.29,204.045 h1.83
  text "Description" at 216.761,204.045 h1.83
  text "Hole Tolerance (+)" at 238.447,204.045 h1.83
  text "Hole Tolerance (-)" at 272.32,204.045 h1.83
  text "2" at 38.351,200.235 h1.52
  text "23.62mil (0.600mm)" at 53.587,200.235 h1.52
  text "PTH" at 82.788,200.235 h1.52
  text "Slot" at 95.637,200.235 h1.52
  text "Top Layer - Bottom Layer" at 114.276,200.235 h1.52
  text "Pad" at 152.365,200.235 h1.52
  text "Rounded" at 167.347,200.235 h1.52
  text "r170_120h60_140r100" at 186.29,200.235 h1.52
  text "2" at 38.351,196.425 h1.52
  text "23.62mil (0.600mm)" at 53.587,196.425 h1.52
  text "PTH" at 82.788,196.425 h1.52
  text "Slot" at 95.637,196.425 h1.52
  text "Top Layer - Bottom Layer" at 114.276,196.425 h1.52
  text "Pad" at 152.365,196.425 h1.52
  text "Rounded" at 167.347,196.425 h1.52
  text "r240_120h60_210r100" at 186.29,196.425 h1.52
  text "2" at 38.351,192.615 h1.52
  text "129.92mil (3.300mm)" at 53.587,192.615 h1.52
  text "PTH" at 82.788,192.615 h1.52
  text "Round" at 95.637,192.615 h1.52
  text "Top Layer - Bottom Layer" at 114.276,192.615 h1.52
  text "Pad" at 152.365,192.615 h1.52
  text "Rounded" at 167.347,192.615 h1.52
  text "(Mixed)" at 186.29,192.615 h1.52
  text "3" at 38.351,188.805 h1.52
  text "39.37mil (1.000mm)" at 53.587,188.805 h1.52
  text "PTH" at 82.788,188.805 h1.52
  text "Round" at 95.637,188.805 h1.52
  text "Top Layer - Bottom Layer" at 114.276,188.805 h1.52
  text "Pad" at 152.365,188.805 h1.52
  text "(Mixed)" at 167.347,188.805 h1.52
  text "(Mixed)" at 186.29,188.805 h1.52
  text "6" at 38.351,184.995 h1.52
  text "129.92mil (3.300mm)" at 53.587,184.995 h1.52
  text "NPTH" at 82.788,184.995 h1.52
  text "Round" at 95.637,184.995 h1.52
  text "Top Layer - Bottom Layer" at 114.276,184.995 h1.52
  text "Pad" at 152.365,184.995 h1.52
  text "Rounded" at 167.347,184.995 h1.52
  text "c300hn330" at 186.29,184.995 h1.52
  text "9" at 38.351,181.185 h1.52
  text "25.20mil (0.640mm)" at 53.587,181.185 h1.52
  text "PTH" at 82.788,181.185 h1.52
  text "Round" at 95.637,181.185 h1.52
  text "Top Layer - Bottom Layer" at 114.276,181.185 h1.52
  text "Pad" at 152.365,181.185 h1.52
  text "Rounded" at 167.347,181.185 h1.52
  text "c203h64" at 186.29,181.185 h1.52
  text "16" at 38.351,177.375 h1.52
  text "15.75mil (0.400mm)" at 53.587,177.375 h1.52
  text "PTH" at 82.788,177.375 h1.52
  text "Round" at 95.637,177.375 h1.52
  text "Top Layer - Bottom Layer" at 114.276,177.375 h1.52
  text "Pad" at 152.365,177.375 h1.52
  text "Rounded" at 167.347,177.375 h1.52
  text "r65_85h40r100" at 186.29,177.375 h1.52
  text "18" at 38.351,173.565 h1.52
  text "74.80mil (1.900mm)" at 53.587,173.565 h1.52
  text "PTH" at 82.788,173.565 h1.52
  text "Round" at 95.637,173.565 h1.52
  text "Top Layer - Bottom Layer" at 114.276,173.565 h1.52
  text "Pad" at 152.365,173.565 h1.52
  text "(Mixed)" at 167.347,173.565 h1.52
  text "(Mixed)" at 186.29,173.565 h1.52
  text "34" at 38.351,169.755 h1.52
  text "35.43mil (0.900mm)" at 53.587,169.755 h1.52
  text "PTH" at 82.788,169.755 h1.52
  text "Round" at 95.637,169.755 h1.52
  text "Top Layer - Bottom Layer" at 114.276,169.755 h1.52
  text "Pad" at 152.365,169.755 h1.52
  text "(Mixed)" at 167.347,169.755 h1.52
  text "(Mixed)" at 186.29,169.755 h1.52
  text "201" at 38.351,165.945 h1.52
  text "9.84mil (0.250mm)" at 53.587,165.945 h1.52
  text "PTH" at 82.788,165.945 h1.52
  text "Round" at 95.637,165.945 h1.52
  text "Top Layer - Bottom Layer" at 114.276,165.945 h1.52
  text "Via" at 152.365,165.945 h1.52
  text "Rounded" at 167.347,165.945 h1.52
  text "(Mixed)" at 186.29,165.945 h1.52
  text "293 Total" at 38.351,162.135 h1.52
  text "Slot definitions :" at 25.502,158.453 h1.52
  text "Routed Path Length" at 51.732,158.453 h1.52
  text "= Calculated from tool start centre position to tool end centre position." at 79.74,158.453 h1.52
  text "Hole Length" at 51.732,155.913 h1.52
  text "= Routed Path Length + Tool Size = Slot length as defined in the PCB layout" at 69.329,155.913 h1.52
  text "FABRICATION NOTES" at 121.941,125.901 h3
  text "1. QUANTITY: 5" at 121.941,120.805 h3
  text "2. SIZE:" at 121.941,115.708 h3
  text "3. LAYERS: 4" at 121.941,110.612 h3
  text "4. SIGNAL LAYERS: 1,4" at 121.941,106.515 h3
  text "a) WEIGHT: 1oz" at 126.941,100.419 h3
  text "5. PLANES: 2" at 121.941,95.323 h3
  text "a) WEIGHT: 1oz" at 126.941,90.226 h3
  text "6. SOLDER MASKS: Blue" at 121.941,85.13 h3
  text "7. SILKSCREEN: White" at 121.941,80.033 h3
  text "8. SURFACE FINISH: HASL (With Lead)" at 121.941,74.937 h3
  text "9 FINISHED COPPER: 1oz Cu" at 121.941,69.841 h3
  text "10. TOTAL THICKNESS: 1.6mm" at 112.014,65.202 h3

## Dimensions
25.65,125.625 to 99.001,125.699 on Drill Drawing
31.35,9.677 to 31.343,131.318 on Drill Drawing